# KiCad board Line-20240325.kicad_pcb
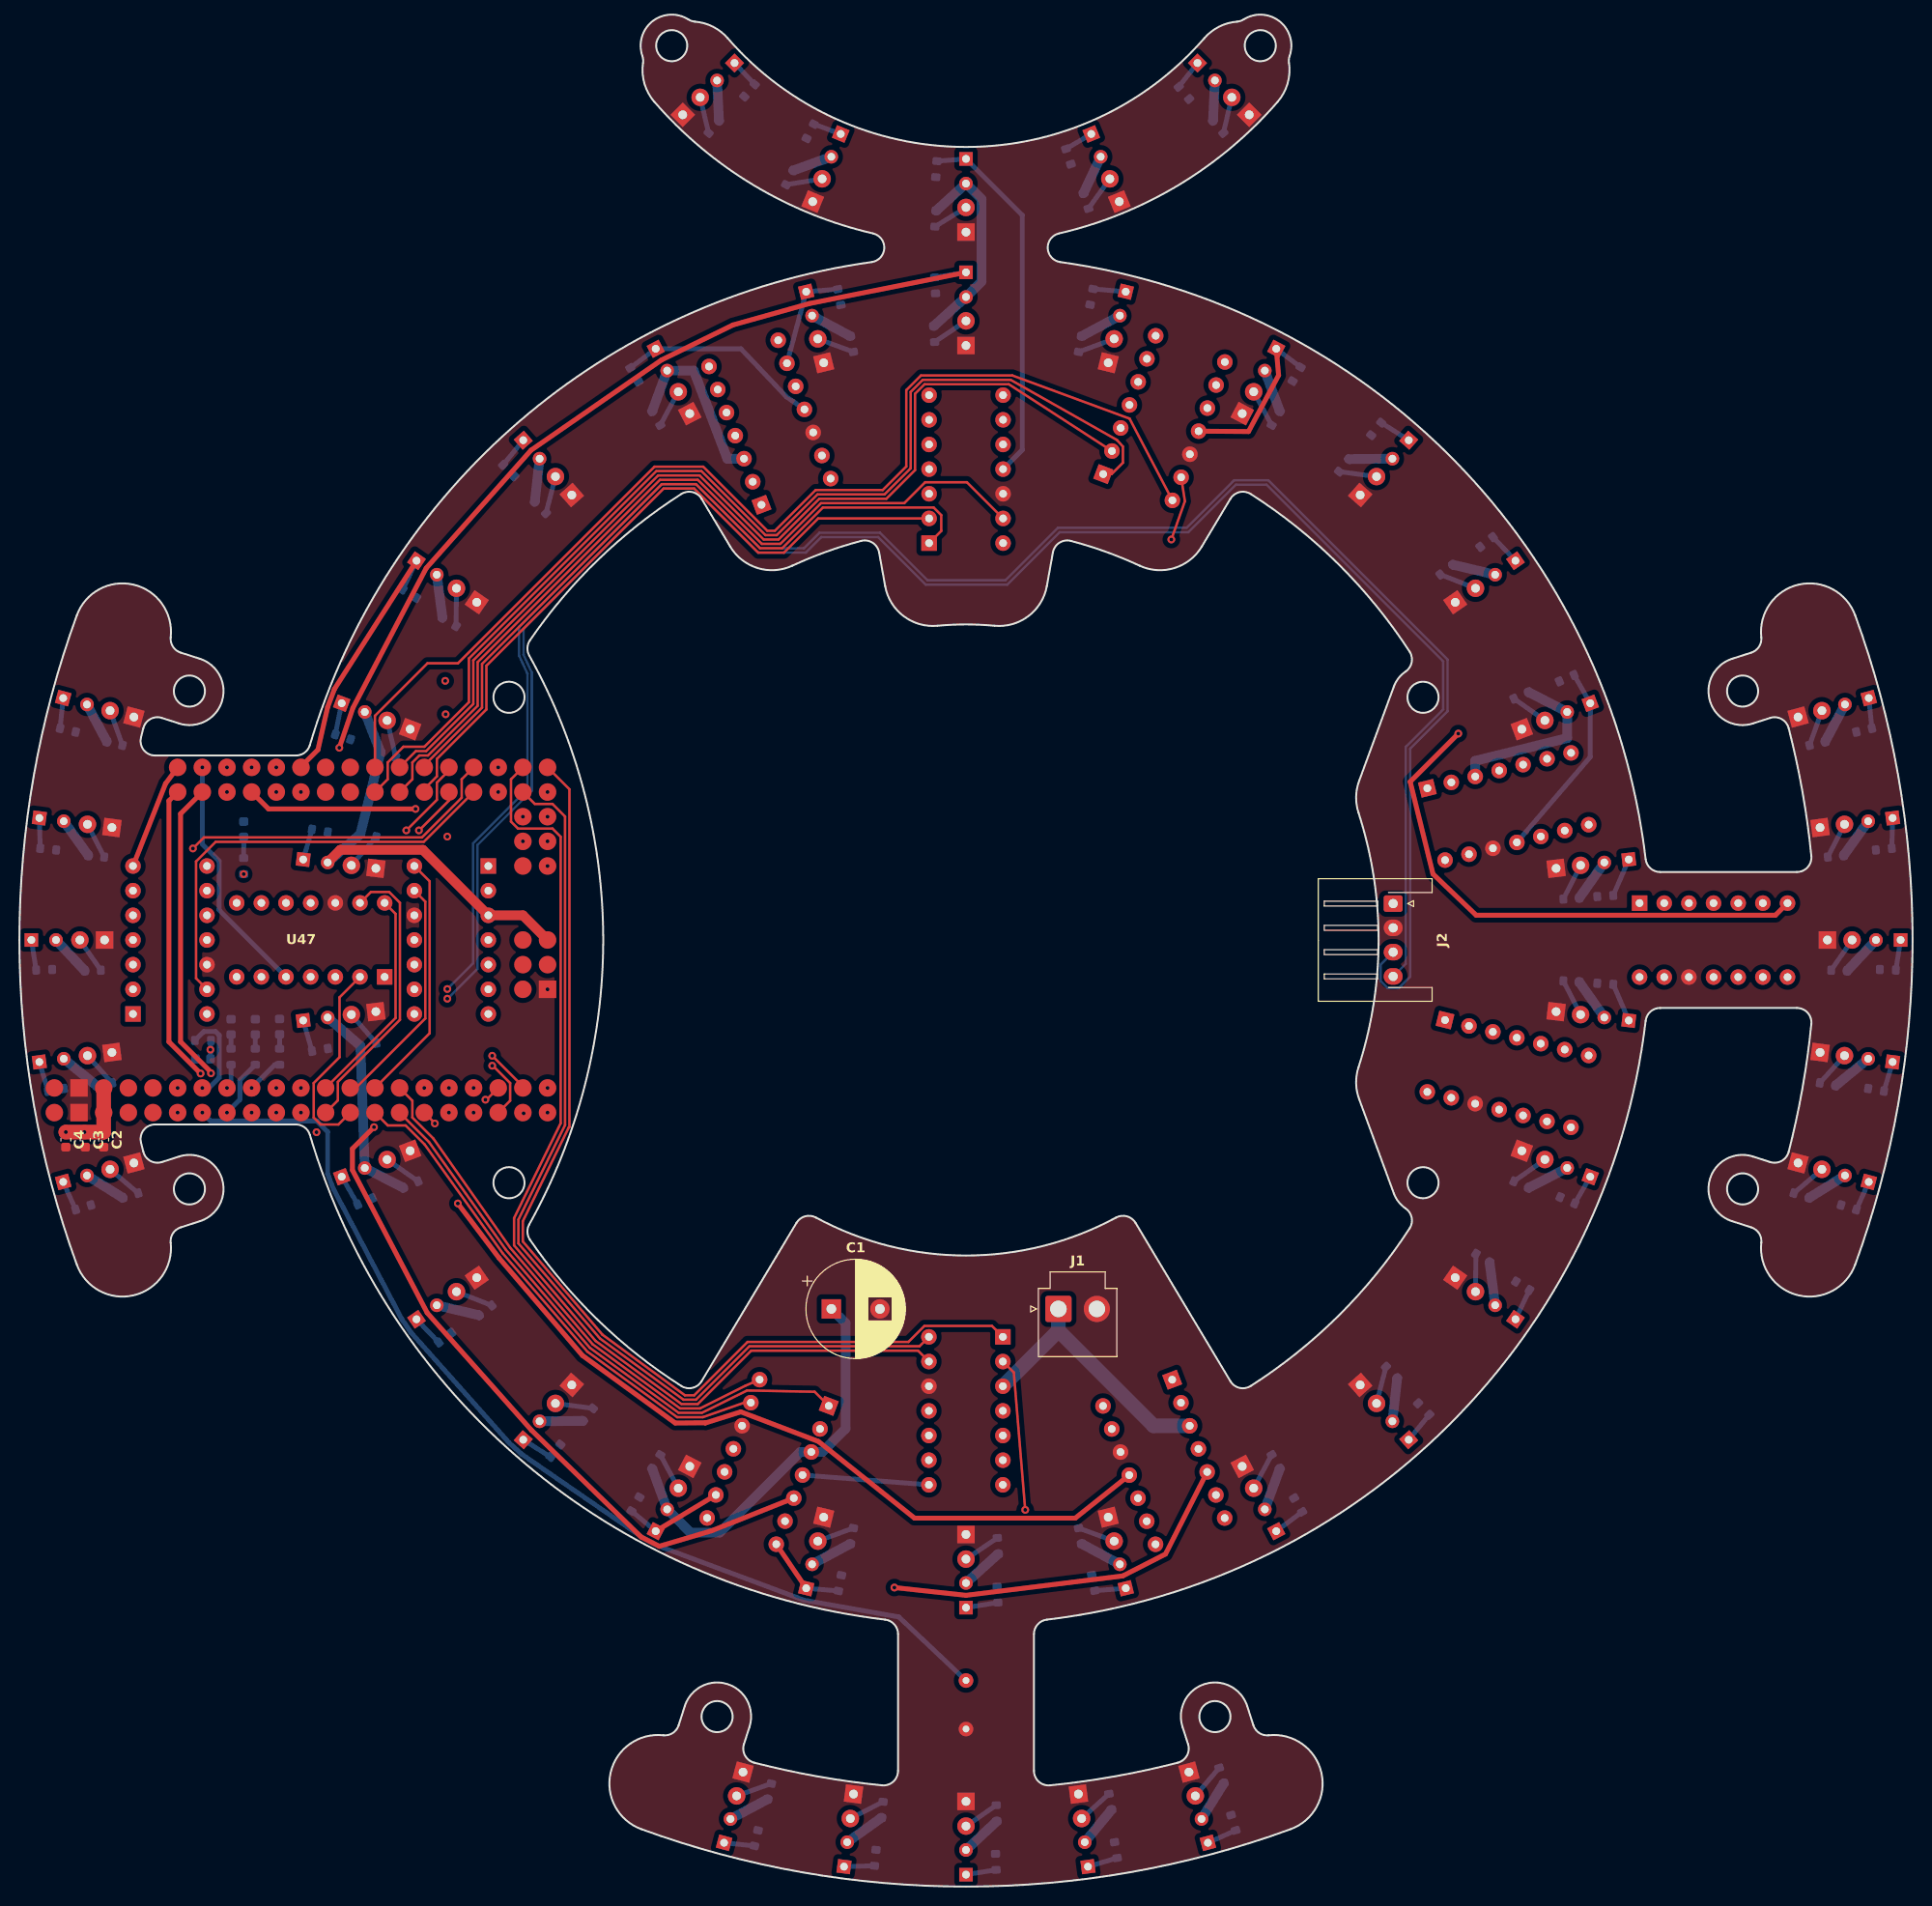
[diagram p0: board, top side]
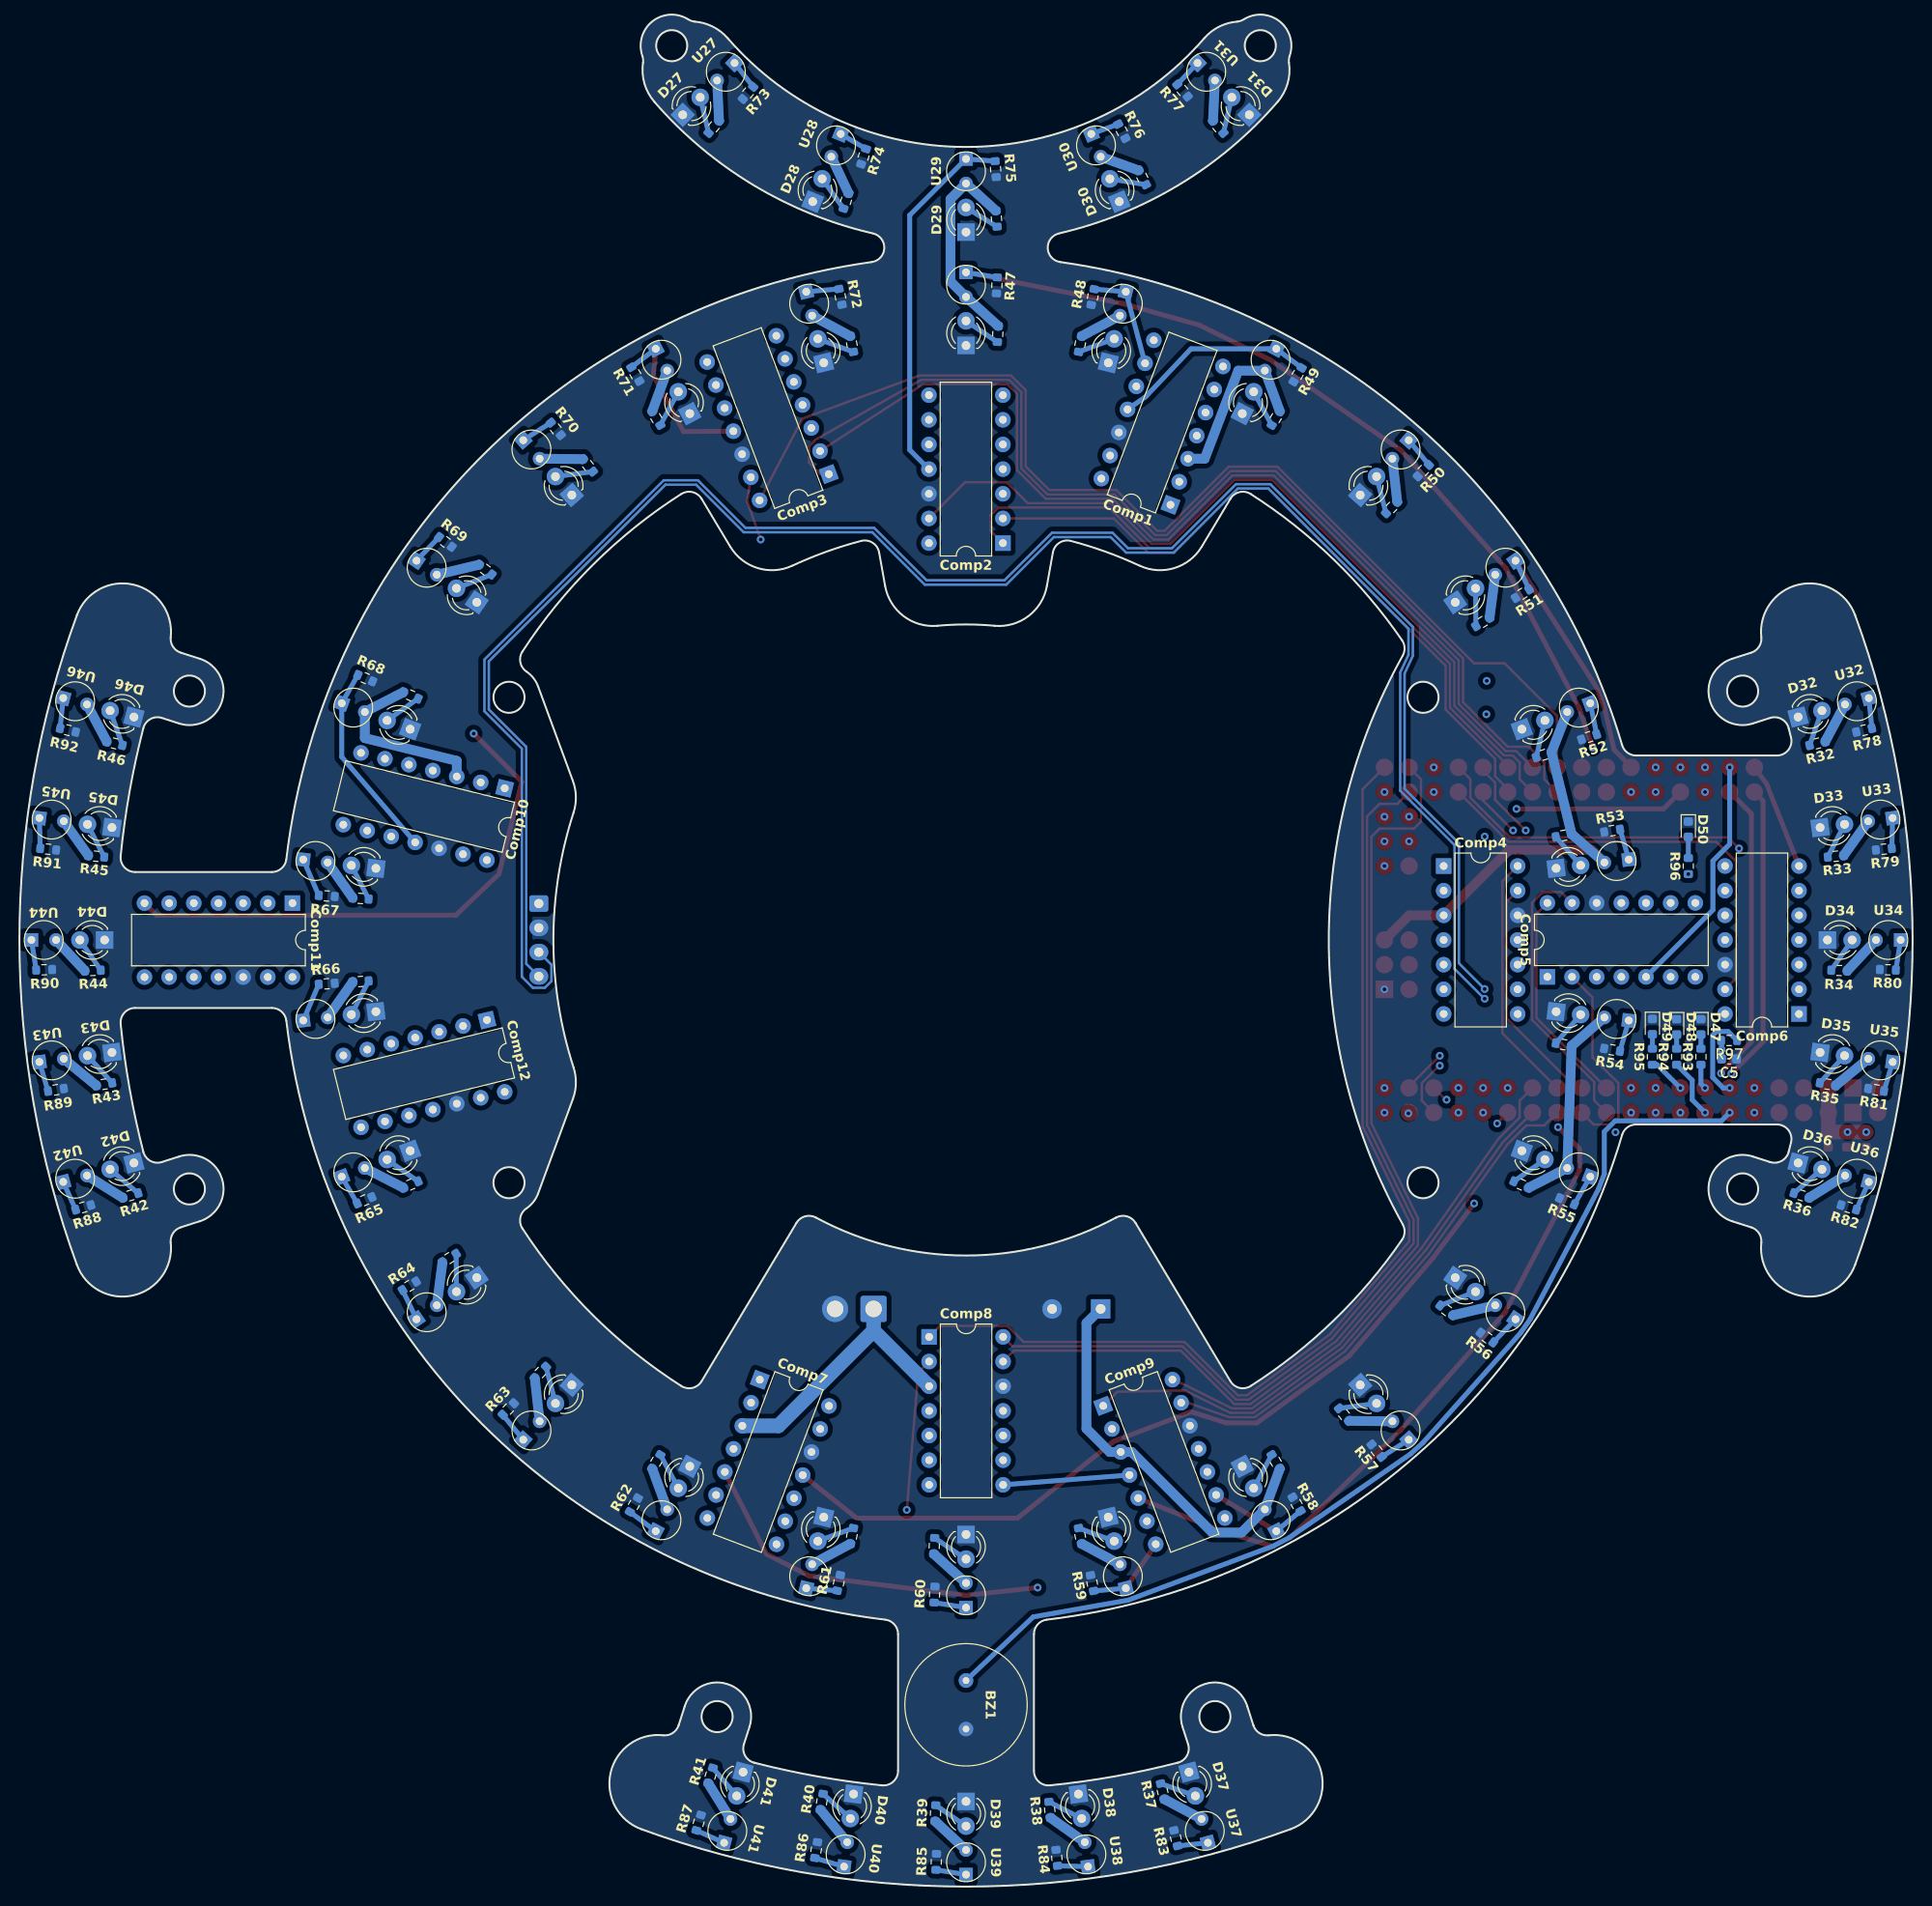
[diagram p1: board, bottom side, seen from below]

Outline 195 x 192.81 mm; copper layers: Top, In1.Cu, In2.Cu, Bottom. Coordinates in mm from the lower left corner of the outline.
Outline path: circle c17.51,123.14 r1.6 ; circle c17.51,71.86 r1.6 ; circle c50.43,122.5 r1.6 ; circle c50.43,72.5 r1.6 ; circle c67.19,189.61 r1.6 ; circle c71.86,17.51 r1.6 ; circle c123.14,17.51 r1.6 ; circle c127.81,189.61 r1.6 ; circle c144.57,122.5 r1.6 ; circle c144.57,72.5 r1.6 ; circle c177.49,123.14 r1.6 ; circle c177.49,71.86 r1.6 ; 5.92,130.95 arc(11.75,134.1) 15.58,128.69 arc(15.82,127.71) 16.62,127.1 18.58,126.47 arc(20.84,122.07) 16.44,119.81 14.67,120.37 arc(13.49,120.26) 12.76,119.32 12.53,118.37 arc(12.8,117.07) 13.98,116.5 28.48,116.5 arc(29.38,116.8) 29.92,117.57 arc(51.54,150.96) 87.79,167.33 arc(89.08,168.75) 87.92,170.28 arc(75.59,175.27) 65.4,183.83 arc(64.38,185.71) 64.23,187.84 arc(64.24,188.21) 64.16,188.56 arc(65.19,192.12) 68.89,192.32 arc(69.22,192.17) 69.58,192.09 arc(71.43,191.57) 72.96,190.38 arc(97.5,179.18) 122.04,190.38 arc(123.57,191.57) 125.42,192.09 arc(125.78,192.17) 126.11,192.32 arc(129.81,192.12) 130.84,188.56 arc(130.76,188.21) 130.77,187.84 arc(130.62,185.71) 129.6,183.83 arc(119.41,175.27) 107.08,170.28 arc(105.92,168.75) 107.21,167.33 arc(147.84,146.85) 167.51,105.82 arc(168,104.88) 169,104.5 183.07,104.5 arc(184.19,104.99) 184.57,106.15 arc(183.66,112.78) 182.24,119.32 arc(181.51,120.26) 180.33,120.37 178.56,119.81 arc(174.16,122.07) 176.42,126.47 178.38,127.1 arc(179.18,127.71) 179.42,128.69 arc(183.25,134.1) 189.08,130.95 arc(195,97.5) 189.08,64.05 arc(183.25,60.9) 179.42,66.31 arc(179.18,67.29) 178.38,67.9 176.42,68.53 arc(174.16,72.93) 178.56,75.19 180.32,74.63 arc(181.51,74.74) 182.24,75.68 arc(183.66,82.22) 184.57,88.85 arc(184.19,90.01) 183.08,90.5 169,90.5 arc(168,90.12) 167.51,89.18 arc(147.35,47.65) 105.82,27.49 arc(104.88,27) 104.5,26 104.5,11.93 arc(104.99,10.81) 106.15,10.43 arc(112.78,11.34) 119.32,12.76 arc(120.26,13.49) 120.37,14.67 119.81,16.44 arc(122.07,20.84) 126.47,18.58 127.1,16.62 arc(127.71,15.82) 128.69,15.58 arc(134.1,11.75) 130.95,5.92 arc(97.5,0) 64.05,5.92 arc(60.9,11.75) 66.31,15.58 arc(67.29,15.82) 67.9,16.62 68.53,18.58 arc(72.93,20.84) 75.19,16.44 74.63,14.67 arc(74.74,13.49) 75.68,12.76 arc(82.22,11.34) 88.85,10.43 arc(90.01,10.81) 90.5,11.92 90.5,26 arc(90.12,27) 89.18,27.49 arc(52.07,43.59) 29.92,77.43 arc(29.38,78.2) 28.48,78.5 13.98,78.5 arc(12.8,77.93) 12.52,76.64 12.76,75.7 arc(13.49,74.74) 14.67,74.63 16.44,75.19 arc(20.84,72.93) 18.58,68.53 16.62,67.9 arc(15.82,67.29) 15.58,66.31 arc(11.75,60.9) 5.92,64.05 arc(0,97.5) 5.92,130.95 ; 52.52,126.79 arc(60.13,97.5) 52.52,68.21 arc(52.33,67.4) 52.59,66.62 arc(59.62,58.31) 68.17,51.56 arc(69.32,51.37) 70.27,52.06 80.04,68.36 arc(80.93,69.04) 82.04,68.91 arc(97.5,65) 112.96,68.91 arc(114.07,69.04) 114.97,68.36 124.73,52.06 arc(125.68,51.37) 126.83,51.56 arc(135.88,58.8) 143.19,67.79 arc(143.4,68.91) 142.78,69.85 arc(142.05,70.53) 141.57,71.4 137.99,81.12 arc(137.68,82.75) 137.93,84.39 arc(140,97.5) 137.93,110.61 arc(137.68,112.25) 137.99,113.88 141.57,123.61 arc(142.05,124.47) 142.78,125.15 arc(143.4,126.09) 143.19,127.21 arc(135.88,136.2) 126.83,143.44 arc(125.68,143.63) 124.73,142.94 121.78,138.02 arc(118.96,135.81) 115.39,136.05 arc(111.9,137.48) 108.31,138.6 arc(107.12,138.42) 106.45,137.42 105.83,133.96 arc(103.94,130.87) 100.45,129.87 arc(97.5,130) 94.55,129.87 arc(91.06,130.87) 89.17,133.96 88.55,137.42 arc(87.88,138.42) 86.69,138.6 arc(83.1,137.48) 79.61,136.05 arc(76.04,135.81) 73.22,138.02 70.27,142.94 arc(69.32,143.63) 68.17,143.44 arc(59.62,136.69) 52.59,128.38 arc(52.33,127.6) 52.52,126.79
Stack: Top 0.035mm / dielectric 0.1mm FR4 er 4.5 / In1.Cu 0.035mm / dielectric 1.24mm FR4 er 4.5 / In2.Cu 0.035mm / dielectric 0.1mm FR4 er 4.5 / Bottom 0.035mm

## Placement (name value [footprint] x y rotation side)
BZ1  Buzzer  [PKM13EPYH4000-A0]  97.5 18.72 270 bottom
C1  100uF  [CP_Radial_D10.0mm_P5.00mm]  83.63 59.5 0 top
C2  0.1uF  [C_0603_1608Metric]  8.68 76.94 270 top
C3  0.1uF  [C_0603_1608Metric]  6.78 76.94 270 top
C4  0.1uF  [C_0603_1608Metric]  4.78 76.94 270 top
C5  10uF  [C_0603_1608Metric]  18.9 85.25 0 bottom
Comp1  ~  [LM339]  77.29 150.8 20.8 bottom
Comp2  ~  [LM339]  97.5 146 0 bottom
Comp3  ~  [LM339]  117.89 151.26 339.2 bottom
Comp4  ~  [LM339]  44.5 97.5 180 bottom
Comp5  ~  [LM339]  30 97.5 90 bottom
Comp6  ~  [LM339]  15.5 97.5 0 bottom
Comp7  ~  [LM339]  117.89 43.74 200.8 bottom
Comp8  ~  [LM339]  97.5 49 180 bottom
Comp9  ~  [LM339]  77.11 43.74 159.2 bottom
Comp10  ~  [LM339]  153.33 111.26 283.8 bottom
Comp11  ~  [LM339]  174.5 97.5 270 bottom
Comp12  ~  [LM339]  153.33 83.74 256.2 bottom
D1  LED_Small  [LED-3mm]  97.5 160 90 bottom
D2  LED_Small  [LED-3mm]  82.54 158.18 103.8 bottom
D3  LED_Small  [LED-3mm]  68.45 152.84 117.7 bottom
D4  LED_Small  [LED-3mm]  56.05 144.28 131.5 bottom
D5  LED_Small  [LED-3mm]  46.06 133 145.4 bottom
D6  LED_Small  [LED-3mm]  39.06 119.66 159.2 bottom
D7  LED_Small  [LED-3mm]  35.45 105.03 173.1 bottom
D8  LED_Small  [LED-3mm]  35.45 89.97 186.9 bottom
D9  LED_Small  [LED-3mm]  39.06 75.34 200.8 bottom
D10  LED_Small  [LED-3mm]  46.06 62 214.6 bottom
D11  LED_Small  [LED-3mm]  56.05 50.72 228.5 bottom
D12  LED_Small  [LED-3mm]  68.45 42.16 242.3 bottom
D13  LED_Small  [LED-3mm]  82.54 36.82 256.2 bottom
D14  LED_Small  [LED-3mm]  97.5 35 270 bottom
D15  LED_Small  [LED-3mm]  112.46 36.82 283.8 bottom
D16  LED_Small  [LED-3mm]  126.54 42.16 297.7 bottom
D17  LED_Small  [LED-3mm]  138.94 50.72 311.5 bottom
D18  LED_Small  [LED-3mm]  148.94 62 325.4 bottom
D19  LED_Small  [LED-3mm]  155.94 75.34 339.2 bottom
D20  LED_Small  [LED-3mm]  159.54 89.97 353.1 bottom
D21  LED_Small  [LED-3mm]  159.54 105.03 6.9 bottom
D22  LED_Small  [LED-3mm]  155.94 119.66 20.8 bottom
D23  LED_Small  [LED-3mm]  148.94 133 34.6 bottom
D24  LED_Small  [LED-3mm]  138.94 144.28 48.5 bottom
D25  LED_Small  [LED-3mm]  126.54 152.84 62.3 bottom
D26  LED_Small  [LED-3mm]  112.46 158.18 76.2 bottom
D27  LED_Small  [LED-3mm]  125.78 183.4 135 bottom
D28  LED_Small  [LED-3mm]  112.8 174.73 112.5 bottom
D29  LED_Small  [LED-3mm]  97.5 171.68 90 bottom
D30  LED_Small  [LED-3mm]  82.2 174.73 67.5 bottom
D31  LED_Small  [LED-3mm]  69.22 183.4 45 bottom
D32  LED_Small  [LED-3mm]  10.57 120.79 165 bottom
D33  LED_Small  [LED-3mm]  8.27 109.25 172.5 bottom
D34  LED_Small  [LED-3mm]  7.5 97.5 180 bottom
D35  LED_Small  [LED-3mm]  8.27 85.75 187.5 bottom
D36  LED_Small  [LED-3mm]  10.57 74.21 195 bottom
D37  LED_Small  [LED-3mm]  74.21 10.57 255 bottom
D38  LED_Small  [LED-3mm]  85.75 8.27 262.5 bottom
D39  LED_Small  [LED-3mm]  97.5 7.5 270 bottom
D40  LED_Small  [LED-3mm]  109.25 8.27 277.5 bottom
D41  LED_Small  [LED-3mm]  120.79 10.57 285 bottom
D42  LED_Small  [LED-3mm]  184.43 74.21 345 bottom
D43  LED_Small  [LED-3mm]  186.73 85.75 352.5 bottom
D44  LED_Small  [LED-3mm]  187.5 97.5 0 bottom
D45  LED_Small  [LED-3mm]  186.73 109.25 7.5 bottom
D46  LED_Small  [LED-3mm]  184.43 120.79 15 bottom
D47  LED01  [LED_0603_1608Metric]  21.8 88.55 270 bottom
D48  LED02  [LED_0603_1608Metric]  24.3 88.55 270 bottom
D49  LED03  [LED_0603_1608Metric]  26.8 88.58 270 bottom
D50  POWER  [LED_0603_1608Metric]  23.1 108.91 270 bottom
J1  Conn_PWR  [JST_VH_B2P-VH-B_1x02_P3.96mm_Vertical]  109 59.5 0 top
J2  Conn_MD  [JST_XH_S4B-XH-A-1_1x04_P2.50mm_Horizontal]  141.5 101.25 270 top
R1  75  [R_0603_1608Metric]  94.23 159.91 93 bottom
R2  75  [R_0603_1608Metric]  85.74 158.88 100.8 bottom
R3  75  [R_0603_1608Metric]  65.6 151.25 120.7 bottom
R4  75  [R_0603_1608Metric]  53.66 142.05 134.5 bottom
R5  75  [R_0603_1608Metric]  44.27 130.26 148.4 bottom
R6  75  [R_0603_1608Metric]  37.98 116.57 162.2 bottom
R7  75  [R_0603_1608Metric]  35.93 108.27 170.1 bottom
R8  75  [R_0603_1608Metric]  35.93 86.73 189.9 bottom
R9  75  [R_0603_1608Metric]  40.3 72.31 203.8 bottom
R10  75  [R_0603_1608Metric]  47.99 59.35 217.6 bottom
R11  75  [R_0603_1608Metric]  58.56 48.61 231.5 bottom
R12  75  [R_0603_1608Metric]  65.6 43.76 239.3 bottom
R13  75  [R_0603_1608Metric]  85.74 36.12 259.2 bottom
R14  75  [R_0603_1608Metric]  100.77 35.09 273 bottom
R15  75  [R_0603_1608Metric]  109.26 36.12 280.8 bottom
R16  75  [R_0603_1608Metric]  129.4 43.76 300.7 bottom
R17  75  [R_0603_1608Metric]  141.34 52.95 314.5 bottom
R18  75  [R_0603_1608Metric]  150.72 64.74 328.4 bottom
R19  75  [R_0603_1608Metric]  154.7 72.31 336.2 bottom
R20  75  [R_0603_1608Metric]  159.85 93.22 356.1 bottom
R21  75  [R_0603_1608Metric]  159.85 101.78 3.9 bottom
R22  75  [R_0603_1608Metric]  154.7 122.69 23.8 bottom
R23  75  [R_0603_1608Metric]  147.01 135.65 37.6 bottom
R24  75  [R_0603_1608Metric]  136.44 146.39 51.5 bottom
R25  75  [R_0603_1608Metric]  129.4 151.25 59.3 bottom
R26  75  [R_0603_1608Metric]  109.26 158.88 79.2 bottom
R27  75  [R_0603_1608Metric]  123.48 181.26 130.5 bottom
R28  75  [R_0603_1608Metric]  109.86 173.63 108 bottom
R29  75  [R_0603_1608Metric]  94.36 171.79 85.5 bottom
R30  75  [R_0603_1608Metric]  79.34 176.03 63 bottom
R31  75  [R_0603_1608Metric]  71.52 181.26 49.5 bottom
R32  75  [R_0603_1608Metric]  9.81 117.75 167 bottom
R33  75  [R_0603_1608Metric]  7.91 106.13 174.5 bottom
R34  75  [R_0603_1608Metric]  7.55 94.36 182 bottom
R35  75  [R_0603_1608Metric]  8.73 82.65 189.5 bottom
R36  75  [R_0603_1608Metric]  11.43 71.19 197 bottom
R37  75  [R_0603_1608Metric]  77.25 9.81 257 bottom
R38  75  [R_0603_1608Metric]  88.87 7.91 264.5 bottom
R39  75  [R_0603_1608Metric]  100.64 7.55 272 bottom
R40  75  [R_0603_1608Metric]  112.35 8.73 279.5 bottom
R41  75  [R_0603_1608Metric]  123.81 11.43 287 bottom
R42  75  [R_0603_1608Metric]  183.57 71.19 343 bottom
R43  75  [R_0603_1608Metric]  186.27 82.65 350.5 bottom
R44  75  [R_0603_1608Metric]  187.45 94.36 358 bottom
R45  75  [R_0603_1608Metric]  187.09 106.13 5.5 bottom
R46  75  [R_0603_1608Metric]  185.19 117.75 13 bottom
R47  Line-Pulldown  [R_0603_1608Metric]  94.32 164.93 272.7 bottom
R48  Line-Pulldown  [R_0603_1608Metric]  84.45 163.73 281.1 bottom
R49  Line-Pulldown  [R_0603_1608Metric]  63.34 155.72 300.4 bottom
R50  Line-Pulldown  [R_0603_1608Metric]  50.4 145.85 314.2 bottom
R51  Line-Pulldown  [R_0603_1608Metric]  40.19 133.17 328.1 bottom
R52  Line-Pulldown  [R_0603_1608Metric]  33.32 118.41 341.9 bottom
R53  Line-Pulldown  [R_0603_1608Metric]  30.95 108.76 350.4 bottom
R54  Line-Pulldown  [R_0603_1608Metric]  30.96 86.19 9.7 bottom
R55  Line-Pulldown  [R_0603_1608Metric]  35.6 70.58 23.5 bottom
R56  Line-Pulldown  [R_0603_1608Metric]  43.84 56.55 37.4 bottom
R57  Line-Pulldown  [R_0603_1608Metric]  55.2 44.89 51.2 bottom
R58  Line-Pulldown  [R_0603_1608Metric]  63.45 39.4 60 bottom
R59  Line-Pulldown  [R_0603_1608Metric]  84.5 31.26 78.9 bottom
R60  Line-Pulldown  [R_0603_1608Metric]  100.74 30.08 92.8 bottom
R61  Line-Pulldown  [R_0603_1608Metric]  110.61 31.29 101.2 bottom
R62  Line-Pulldown  [R_0603_1608Metric]  131.71 39.31 120.5 bottom
R63  Line-Pulldown  [R_0603_1608Metric]  144.64 49.19 134.3 bottom
R64  Line-Pulldown  [R_0603_1608Metric]  154.84 61.88 148.2 bottom
R65  Line-Pulldown  [R_0603_1608Metric]  159.45 70.69 156.6 bottom
R66  Line-Pulldown  [R_0603_1608Metric]  163.35 92.99 176.1 bottom
R67  Line-Pulldown  [R_0603_1608Metric]  163.34 102.03 183.9 bottom
R68  Line-Pulldown  [R_0603_1608Metric]  159.38 124.47 203.6 bottom
R69  Line-Pulldown  [R_0603_1608Metric]  151.12 138.5 217.4 bottom
R70  Line-Pulldown  [R_0603_1608Metric]  139.75 150.14 231.2 bottom
R71  Line-Pulldown  [R_0603_1608Metric]  131.56 155.78 239.7 bottom
R72  Line-Pulldown  [R_0603_1608Metric]  110.44 163.75 258.9 bottom
R73  Line-Pulldown  [R_0603_1608Metric]  119.95 184.75 310.5 bottom
R74  Line-Pulldown  [R_0603_1608Metric]  108.05 178.2 288 bottom
R75  Line-Pulldown  [R_0603_1608Metric]  94.45 176.9 265.5 bottom
R76  Line-Pulldown  [R_0603_1608Metric]  81.45 180.8 243 bottom
R77  Line-Pulldown  [R_0603_1608Metric]  75.2 185 229.5 bottom
R78  Line-Pulldown  [R_0603_1608Metric]  4.99 119.11 346.9 bottom
R79  Line-Pulldown  [R_0603_1608Metric]  2.96 106.85 354.4 bottom
R80  Line-Pulldown  [R_0603_1608Metric]  2.55 94.43 1.9 bottom
R81  Line-Pulldown  [R_0603_1608Metric]  3.76 82.07 9.3 bottom
R82  Line-Pulldown  [R_0603_1608Metric]  6.58 69.96 16.9 bottom
R83  Line-Pulldown  [R_0603_1608Metric]  75.89 4.99 76.8 bottom
R84  Line-Pulldown  [R_0603_1608Metric]  88.15 2.96 84.3 bottom
R85  Line-Pulldown  [R_0603_1608Metric]  100.57 2.55 91.8 bottom
R86  Line-Pulldown  [R_0603_1608Metric]  112.93 3.76 99.3 bottom
R87  Line-Pulldown  [R_0603_1608Metric]  125.04 6.58 106.8 bottom
R88  Line-Pulldown  [R_0603_1608Metric]  188.42 69.96 163.2 bottom
R89  Line-Pulldown  [R_0603_1608Metric]  191.24 82.07 170.7 bottom
R90  Line-Pulldown  [R_0603_1608Metric]  192.45 94.43 178.2 bottom
R91  Line-Pulldown  [R_0603_1608Metric]  192.04 106.85 185.7 bottom
R92  Line-Pulldown  [R_0603_1608Metric]  190.01 119.11 193.2 bottom
R93  330  [R_0603_1608Metric]  21.8 85.47 90 bottom
R94  330  [R_0603_1608Metric]  24.3 85.47 90 bottom
R95  330  [R_0603_1608Metric]  26.8 85.47 90 bottom
R96  330  [R_0603_1608Metric]  23.1 105.11 90 bottom
R97  1K  [R_0603_1608Metric]  18.9 87.15 0 bottom
U1  ~  [NJL7502L]  97.5 165 90 bottom
U2  ~  [NJL7502L]  81.35 163.04 103.8 bottom
U3  ~  [NJL7502L]  66.13 157.27 117.7 bottom
U4  ~  [NJL7502L]  52.74 148.02 131.5 bottom
U5  ~  [NJL7502L]  41.95 135.84 145.4 bottom
U6  ~  [NJL7502L]  34.39 121.44 159.2 bottom
U7  ~  [NJL7502L]  30.49 105.64 173.1 bottom
U8  ~  [NJL7502L]  30.49 89.36 186.9 bottom
U9  ~  [NJL7502L]  34.39 73.56 200.8 bottom
U10  ~  [NJL7502L]  41.95 59.16 214.6 bottom
U11  ~  [NJL7502L]  52.74 46.98 228.5 bottom
U12  ~  [NJL7502L]  66.13 37.73 242.3 bottom
U13  ~  [NJL7502L]  81.35 31.96 256.2 bottom
U14  ~  [NJL7502L]  97.5 30 270 bottom
U15  ~  [NJL7502L]  113.65 31.96 283.8 bottom
U16  ~  [NJL7502L]  128.87 37.73 297.7 bottom
U17  ~  [NJL7502L]  142.26 46.98 311.5 bottom
U18  ~  [NJL7502L]  153.05 59.16 325.4 bottom
U19  ~  [NJL7502L]  160.61 73.56 339.2 bottom
U20  ~  [NJL7502L]  164.51 89.36 353.1 bottom
U21  ~  [NJL7502L]  164.51 105.64 6.9 bottom
U22  ~  [NJL7502L]  160.61 121.44 20.8 bottom
U23  ~  [NJL7502L]  153.05 135.84 34.6 bottom
U24  ~  [NJL7502L]  142.26 148.02 48.5 bottom
U25  ~  [NJL7502L]  128.87 157.27 62.3 bottom
U26  ~  [NJL7502L]  113.65 163.04 76.2 bottom
U27  ~  [NJL7502L]  122.24 186.93 135 bottom
U28  ~  [NJL7502L]  110.89 179.35 112.5 bottom
U29  ~  [NJL7502L]  97.5 176.68 90 bottom
U30  ~  [NJL7502L]  84.11 179.35 67.5 bottom
U31  ~  [NJL7502L]  72.76 186.93 45 bottom
U32  ~  [NJL7502L]  5.74 122.09 165 bottom
U33  ~  [NJL7502L]  3.31 109.9 172.5 bottom
U34  ~  [NJL7502L]  2.5 97.5 180 bottom
U35  ~  [NJL7502L]  3.31 85.1 187.5 bottom
U36  ~  [NJL7502L]  5.74 72.91 195 bottom
U37  ~  [NJL7502L]  72.91 5.74 255 bottom
U38  ~  [NJL7502L]  85.1 3.31 262.5 bottom
U39  ~  [NJL7502L]  97.5 2.5 270 bottom
U40  ~  [NJL7502L]  109.9 3.31 277.5 bottom
U41  ~  [NJL7502L]  122.09 5.74 285 bottom
U42  ~  [NJL7502L]  189.26 72.91 345 bottom
U43  ~  [NJL7502L]  191.69 85.1 352.5 bottom
U44  ~  [NJL7502L]  192.5 97.5 0 bottom
U45  ~  [NJL7502L]  191.69 109.9 7.5 bottom
U46  ~  [NJL7502L]  189.26 122.09 15 bottom
U47  MEGA_PRO_EMBED_CH340G___ATMEGA2560  [ATmega2560Pro Board]  29 97.5 0 top

## Library data of the parts
BZ1 = -: Description: Buzzer, polarized; ki_fp_filters: *Buzzer*
C1 C5 = -: Description: Unpolarized capacitor; ki_fp_filters: C_*
C2-C4 = -: Description: Unpolarized capacitor, small symbol; ki_fp_filters: C_*
D1-D46 = -: Description: Light emitting diode, small symbol; ki_fp_filters: LED* LED_SMD:* LED_THT:*
D47-D50 = -: Description: Light emitting diode, small symbol, filled shape; ki_fp_filters: LED* LED_SMD:* LED_THT:*
J1 = -: Description: Generic connector, single row, 01x02, script generated; ki_fp_filters: Connector*:*_1x??_*
J2 = -: Description: Generic connector, single row, 01x04, script generated; ki_fp_filters: Connector*:*_1x??_*
R1-R96 = -: Description: Resistor, small symbol; ki_fp_filters: R_*
R97 = -: Description: Resistor; ki_fp_filters: R_*
U47 = -: MF: Robotdyn; Package: None; Price: None; Check_prices: https://www.snapeda.com/parts/Mega%20Pro%20Embed%20CH340G%20/%20ATmega2560/Robotdyn/view-part/?ref=eda; STANDARD: Manufacturer Recommendations; PARTREV: 12/May/2017; SnapEDA_Link: https://www.snapeda.com/parts/Mega%20Pro%20Embed%20CH340G%20/%20ATmega2560/Robotdyn/view-part/?ref=snap; MP: Mega Pro Embed CH340G / ATmega2560; Availability: Not in stock; MANUFACTURER: Robotdyn
